# Altium PCB Iris.PcbDoc (part 3 of 13)
Units mm, origin at the board's own origin, x right, y up, seen from the top; angles counter-clockwise.
Board outline 100 x 72 mm, 6 copper layers (Top Layer, PowerPlane1, MidLayer1, MidLayer2, PowerPlane2, Bottom Layer), stack 1.561 mm thick; 396 components, 379 nets, 1616 pads, 658 vias.
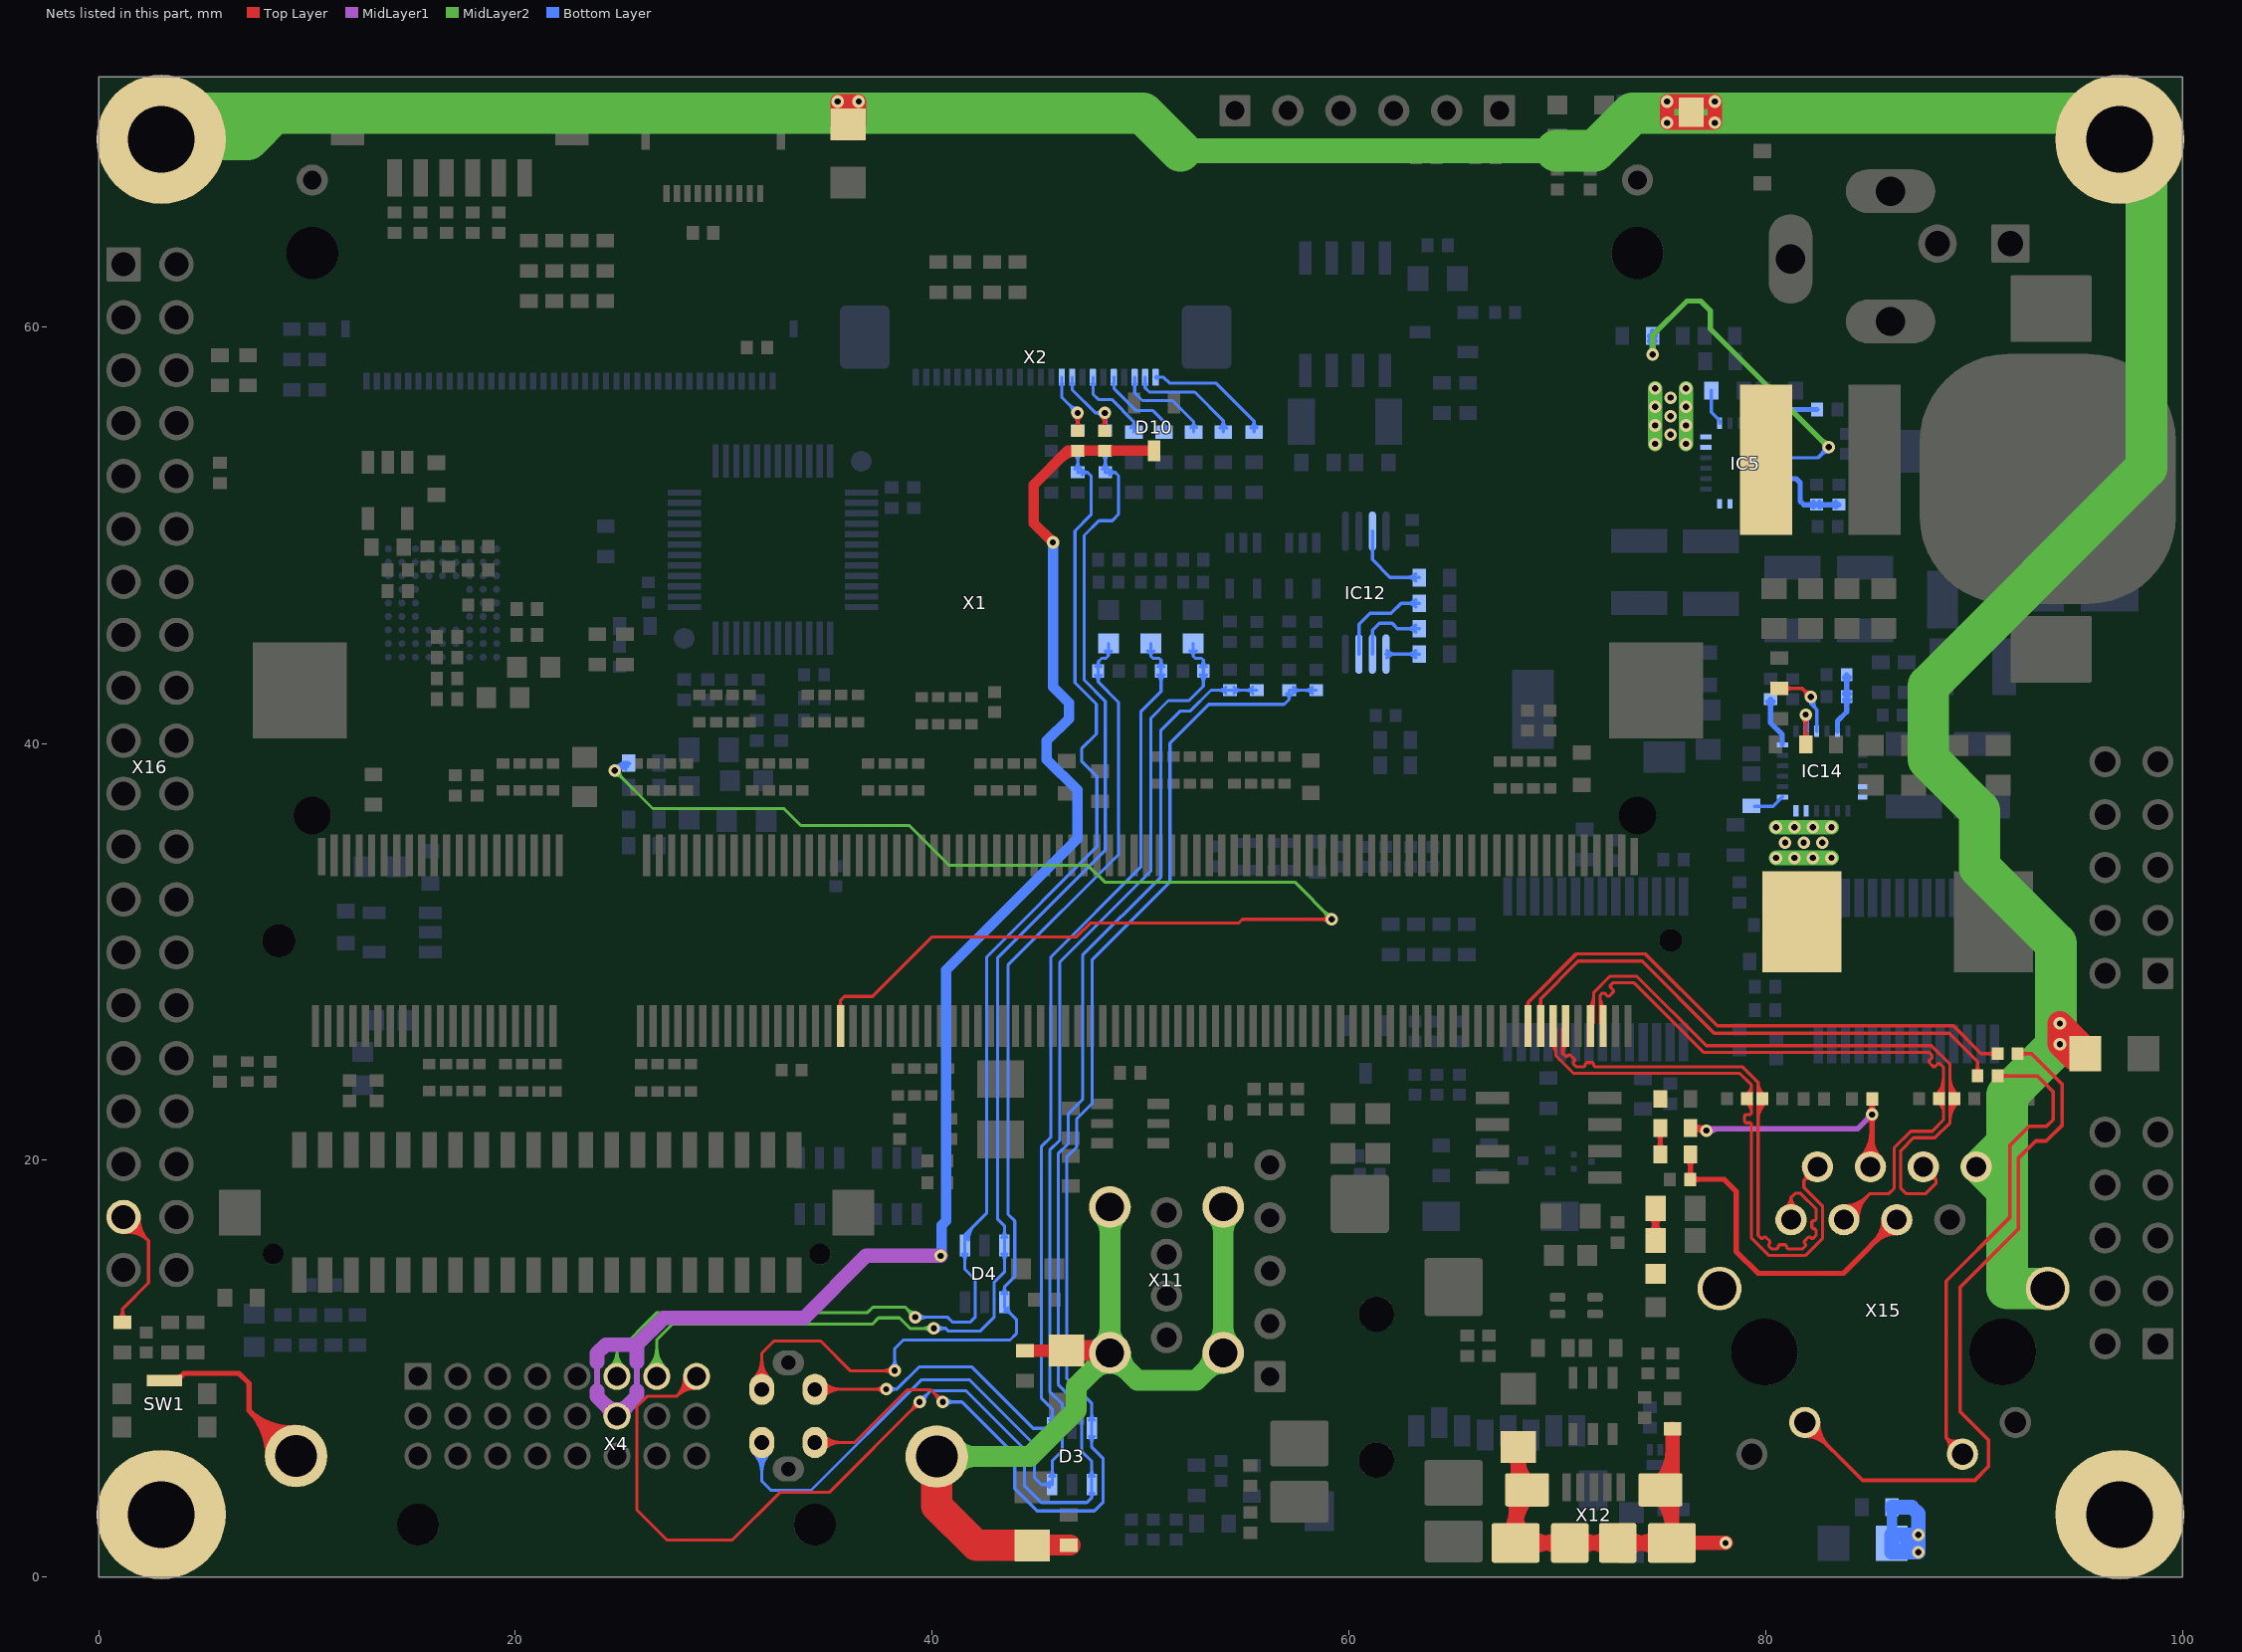
[diagram p7: the nets of this part, all layers, seen from the top]

## Via types
v1: diameter 0.6, hole 0.3, Top Layer to Bottom Layer, tented both sides, 651 vias
v2: diameter 0.55, hole 0.3, Top Layer to Bottom Layer, tented both sides, 7 vias

## Nets (pads, with @x,y where several pads share a name; then routed paths per layer and width w, separated by ;. In a path a pad name is that pad's centre, name@x,y a point inside that pad or via, vN(x,y) a via of type N, cw(c..) or ccw(c..) an arc to the next point about the centre after c; other vN are vias at no path point) (continued)
CHASSIS_GND: C129.2 C130.2 C131.2 C133.1 C134.1 C135.1 C136.2 MH1.1 MH2.1 MH3.1 MH4.1 R37.2 R137.2 R138.2 R139.2 R140.2 SW1.5 X4.X1 X4.X2 X11.S1 X11.S2 X12.S1 X12.S2 X12.S3 X15.8 X15.S1 X15.S2 | length 330.5
  Top Layer w0.254: SW1.5@3.16,9.43 3.74,9.43 4.089,9.779 6.731,9.779 7.214,9.296 7.214,8.001 ; SW1.5@3.735,9.578 ccw(c3.735,9.948) SW1.5@3.997,9.686 ; SW1.5@3.883,9.43 cw(c4.227,9.43) SW1.5@3.984,9.673 ; 7.611,7.603 ccw(c9.256,9.248) X4.X1@9.402,6.927 ; 7.64,7.574 cw(c5.917,5.851) X4.X1@8.354,5.823 ; 8.009,7.206 ccw(c9.303,8.5) X4.X1@9.418,6.673 ; 8.067,7.148 cw(c6.761,5.841) X4.X1@8.608,5.82 ; X4.X1@8.1,5.826 ccw(c5.074,5.861) 7.214,8.001 ; X4.X1@9.386,7.18 cw(c9.208,9.996) 7.214,8.001 ; X4.X1@9.473,5.81 9.405,5.81 7.214,8.001
  Top Layer w0.6: R37.2@44.45,10.871 C129.2@46.457,10.871 ; C136.2@44.806,1.524 C136.2@44.817,1.536
  Top Layer w0.7: X12.S1@67.582,2.064 ccw(c66.557,3.089) 68.006,3.089 ccw(c69.454,3.089) X12.S1@68.43,2.064 ; C130.2@67.831,5.957 cw(c67.128,5.254) 68.123,5.254 cw(c69.117,5.254) C130.2@68.414,5.957 ; X12.S1@68.006,2.379 cw(c70.117,2.379) X12.S3@68.624,3.872 ; C130.2@68.123,5.719 ccw(c69.835,5.719) X12.S3@68.624,4.508 ; C130.2@68.123,6.248 68.123,4.623 X12.S3@68.556,4.19 68.006,3.64 X12.S1@68.006,1.64 X12.S2@70.606,1.64 X12.S2@72.906,1.64 X12.S1@75.506,1.64 ; X12.S1@68.63,1.216 cw(c69.654,0.191) 69.654,1.64 cw(c69.654,3.089) X12.S1@68.63,2.064 ; X12.S2@70.217,1.251 ccw(c69.278,0.312) 69.278,1.64 ccw(c69.278,2.968) X12.S2@70.217,2.029 ; X12.S2@70.995,1.251 cw(c71.934,0.312) 71.934,1.64 cw(c71.934,2.968) X12.S2@70.995,2.029 ; X12.S2@72.517,1.251 ccw(c71.578,0.312) 71.578,1.64 ccw(c71.578,2.968) X12.S2@72.517,2.029 ; X12.S2@73.295,1.251 cw(c74.234,0.312) 74.234,1.64 cw(c74.234,2.968) X12.S2@73.295,2.029 ; X12.S1@74.882,1.216 ccw(c73.857,0.191) 73.857,1.64 ccw(c73.857,3.089) X12.S1@74.882,2.064 ; X12.S3@74.888,3.872 cw(c73.395,2.379) X12.S1@75.506,2.379 ; X12.S3@74.888,4.508 ccw(c73.314,6.082) 75.54,6.082 ; R137.2@75.54,7.124 75.54,4.774 X12.S3@74.956,4.19 75.506,3.64 X12.S1@75.506,1.64 ; v1(78.081,1.64) X12.S1@75.506,1.64 ; C133.1@35.458,69.723 36.477,69.723 v1(36.477,70.815) v1(35.458,70.815) C133.1@35.458,69.723 ; v1(75.268,69.793) v1(75.268,70.815) v1(77.56,70.815) v1(77.56,69.793) v1(75.268,69.793)
  Top Layer w1: C136.2@44.817,1.536 R140.2@46.634,1.536 ; C129.2@46.457,10.871 48.421,10.871 X11.S1@48.532,10.76
  Top Layer w1.2: v1(94.125,25.578) v1(94.125,26.568) 95.462,25.231 C135.1@95.352,25.121 95.148,24.917 94.785,24.917 v1(94.125,25.578)
  Top Layer w1.5: X4.X2@40.223,5.785 40.223,3.414 42.113,1.524 C136.2@44.806,1.524
  MidLayer2 w1: X4.X2@40.223,5.785 44.685,5.785 46.914,8.014 46.914,9.142 X11.S1@48.527,10.755 ; X4.X2@41.191,5.431 cw(c42.044,4.578) 42.044,5.785 cw(c42.044,6.992) X4.X2@41.191,6.139 ; X11.S1@48.032,10.76 cw(c46.825,10.76) 47.679,9.906 cw(c48.532,9.053) 48.532,10.26 cw(c48.532,9.053) 49.386,9.906 cw(c50.239,10.76) X11.S1@49.032,10.76 ; X11.S1@48.173,11.108 ccw(c47.32,11.962) 48.527,11.962 ccw(c49.734,11.962) X11.S1@48.88,11.108 ; X11.S2@48.179,17.401 cw(c47.325,16.547) 48.532,16.547 cw(c49.739,16.547) X11.S2@48.886,17.401 ; X11.S1@48.532,10.755 49.843,9.443 52.661,9.443 X11.S2@53.972,10.755 ; X11.S1@48.532,10.76 X11.S2@48.532,17.755 ; X11.S2@53.472,10.755 cw(c52.265,10.755) 53.119,9.901 cw(c53.972,9.047) X11.S2@53.972,10.255 ; X11.S2@53.619,11.114 ccw(c52.765,11.967) 53.972,11.967 ccw(c55.179,11.967) X11.S2@54.326,11.114 ; X11.S1@53.619,17.406 cw(c52.765,16.553) 53.972,16.553 cw(c55.179,16.553) X11.S1@54.326,17.406 ; X11.S2@53.972,10.76 X11.S1@53.972,17.76
  MidLayer2 w1.2: 51.918,68.453 69.952,68.453
  MidLayer2 w1.5: 91.567,19.69 X15.8@90.111,19.69 ; 91.592,18.209 X15.8@90.111,19.69 ; 91.592,21.171 X15.8@90.111,19.69
  MidLayer2 w2: MH3.1@3,69 4.256,70.256 50.114,70.256 51.918,68.453 ; MH3.1@3.051,69 7.151,69 8.407,70.256 ; 69.952,68.453 71.806,68.453 73.609,70.256 95.647,70.256 98.281,67.623 98.281,53.246 87.808,42.774 87.808,39.243 90.272,36.779 90.272,34.061 93.929,30.404 93.929,25.476 91.592,23.139 91.592,13.85 X15.S1@93.541,13.85
  Bottom Layer w0.5: C131.2@86.069,1.626 R138.2@86.069,3.353
  Bottom Layer w0.7: R138.2@86.069,3.353 87.02,3.353 87.326,3.048 v1(87.326,2.032) ; C131.2@86.733,1.439 v1(87.326,2.032) ; v1(87.326,2.032) v1(87.326,1.194) 86.055,1.194 86.055,2.032 v1(87.326,2.032) ; v1(75.268,69.793) v1(77.56,69.793) v1(77.56,70.815) v1(75.268,70.815) v1(75.268,69.793)
CON_PWM_A: R84.2 X16.37 | length 12.9
  Top Layer w0.152: R84.2@0.967,12.407 ccw(c0.542,12.832) 1.143,12.832 ccw(c1.744,12.832) R84.2@1.319,12.407 ; R84.2@1.143,12.231 1.143,12.878 2.388,14.122 2.388,16.14 ; X16.37@1.191,17.28 1.248,17.28 2.388,16.14 ; X16.37@1.238,16.838 cw(c1.329,15.984) 1.936,16.592 ; X16.37@1.254,16.687 cw(c1.372,15.576) 2.162,16.366 ; X16.37@1.27,16.535 cw(c1.415,15.168) 2.388,16.14 ; X16.37@1.635,17.269 ccw(c2.49,17.248) 1.885,16.643 ; X16.37@1.787,17.265 ccw(c2.98,17.235) 2.136,16.392 ; X16.37@1.94,17.261 ccw(c3.47,17.223) 2.388,16.14
CRT_BLUE: C9.1 D3.3 L6.2 X4.C3 | length 73
  Bottom Layer w0.15: X4.C3@31.452,5.939 cw(c30.555,5.043) 31.823,5.043 cw(c33.09,5.043) X4.C3@32.194,5.939 ; X4.C3@31.558,6.045 cw(c30.918,5.405) 31.823,5.405 cw(c32.728,5.405) X4.C3@32.088,6.045 ; X4.C3@31.823,6.46 31.823,4.601 32.258,4.166 34.188,4.166 39.497,9.474 41.783,9.474 44.911,6.347 44.911,4.772 45.241,4.441 D3.3@45.761,4.441 45.761,5.578 46.253,6.071 46.253,8.296 45.644,8.905 45.644,20.482 46.126,20.964 46.126,29.508 50.495,33.877 50.495,41.224 51.333,42.062 52.324,42.062 53.017,42.756 C9.1@53.017,43.485 53.017,44.007 ; D3.3@45.637,4.317 ccw(c45.338,4.019) 45.338,4.441 ccw(c45.338,4.864) D3.3@45.637,4.565 ; D3.3@45.637,4.84 ccw(c45.338,5.139) 45.761,5.139 ccw(c46.183,5.139) D3.3@45.884,4.84 ; L6.2@52.361,44.455 cw(c52.243,44.196) 52.527,44.196 ; L6.2@52.527,44.818 52.527,44.196 ; L6.2@52.693,44.455 ccw(c52.811,44.196) 52.527,44.196 ; C9.1@52.865,43.293 cw(c52.498,42.926) 53.017,42.926 cw(c53.536,42.926) C9.1@53.169,43.293 ; C9.1@52.874,43.685 ccw(c52.584,44.007) 53.017,44.007 ; C9.1@53.161,43.685 cw(c53.45,44.007) 53.017,44.007 ; 52.527,44.196 52.629,44.094 52.93,44.094 53.017,44.007
CRT_BLUE_T: R21.2 X2.22 | length 5.6
  Bottom Layer w0.152: X2.22@49.668,57.278 cw(c49.542,57.152) 49.72,57.152 cw(c49.898,57.152) X2.22@49.772,57.278 ; X2.22@49.72,57.58 49.72,56.833 50.089,56.464 51.537,56.464 52.553,55.448 ; R21.2@52.404,55.154 ccw(c52.186,55.448) 52.553,55.448 ; R21.2@52.553,54.954 52.553,55.448 ; R21.2@52.701,55.154 cw(c52.919,55.448) 52.553,55.448
CRT_GREEN: C10.1 D3.4 L7.2 X4.C2 | length 62.3
  Top Layer w0.15: X4.C2@34.373,9.017 v1(37.795,9.017) ; X4.C2@34.638,8.745 cw(c35.295,8.088) 35.295,9.017 ; X4.C2@34.638,9.275 ccw(c35.261,9.898) 35.261,9.017 ; X4.C2@34.744,8.639 cw(c35.657,7.726) 35.657,9.017 ; X4.C2@34.744,9.381 ccw(c35.623,10.261) 35.623,9.017 ; v1@37.636,8.858 ccw(c37.252,8.474) 37.252,9.017 ccw(c37.252,9.56) v1@37.636,9.176
  Bottom Layer w0.15: 41.377,10.084 41.91,10.084 44.853,7.141 D3.4@45.761,7.141 45.761,8.077 45.237,8.6 45.237,20.65 45.695,21.107 45.695,29.759 50.013,34.077 50.013,41.529 50.985,42.502 C10.1@50.985,43.485 50.985,44.007 ; D3.4@45.637,7.017 ccw(c45.338,6.719) 45.338,7.141 ccw(c45.338,7.564) D3.4@45.637,7.265 ; D3.4@45.637,7.54 ccw(c45.338,7.839) 45.761,7.839 ccw(c46.183,7.839) D3.4@45.884,7.54 ; L7.2@50.329,44.455 cw(c50.211,44.196) 50.495,44.196 ; L7.2@50.495,44.818 50.495,44.196 ; L7.2@50.661,44.455 ccw(c50.779,44.196) 50.495,44.196 ; C10.1@50.833,43.293 cw(c50.466,42.926) 50.985,42.926 cw(c51.504,42.926) C10.1@51.137,43.293 ; C10.1@50.842,43.685 ccw(c50.552,44.007) 50.985,44.007 ; C10.1@51.129,43.685 cw(c51.418,44.007) 50.985,44.007 ; 50.495,44.196 50.597,44.094 50.898,44.094 50.985,44.007
  Bottom Layer w0.152: v1(37.795,9.017) 38.303,9.017 ; v1@37.96,8.866 cw(c38.303,8.552) 38.303,9.017 ; v1@37.96,9.168 ccw(c38.303,9.482) 38.303,9.017 ; 41.377,10.084 39.37,10.084 38.303,9.017
CRT_GREEN_T: R22.2 X2.20 | length 4.9
  Bottom Layer w0.152: X2.20@48.668,57.278 cw(c48.51,57.12) 48.733,57.12 ; X2.20@48.72,57.58 48.733,57.567 48.733,57.033 49.784,55.982 50.597,55.982 51.13,55.448 ; R22.2@50.982,55.154 ccw(c50.764,55.448) 51.13,55.448 ; R22.2@51.13,54.968 51.13,55.448 ; R22.2@51.278,55.154 cw(c51.497,55.448) 51.13,55.448
CRT_HSYNC: C5.1 D3.6 L1.2 X4.C4 | length 74.4
  Top Layer w0.15: X4.C4@34.373,6.46 36.28,6.46 38.811,8.992 39.929,8.992 v1(40.513,8.407) ; X4.C4@34.638,6.195 cw(c35.278,5.555) 35.278,6.46 cw(c35.278,7.365) X4.C4@34.638,6.725 ; X4.C4@34.744,6.089 cw(c35.64,5.193) 35.64,6.46 cw(c35.64,7.727) X4.C4@34.744,6.831 ; v1@40.288,8.407 ccw(c39.745,8.407) 40.129,8.792 ccw(c40.513,9.176) v1@40.513,8.632
  Bottom Layer w0.15: D3.6@47.661,7.141 47.661,8.336 46.457,9.54 46.457,20.145 46.939,20.628 46.939,21.985 47.676,22.721 47.676,29.616 51.415,33.356 51.415,40.018 53.282,41.885 56.896,41.885 57.135,42.124 ; C5.1@57.003,42.393 cw(c56.794,42.124) 57.135,42.124 ; C5.1@57.267,42.393 ccw(c57.476,42.124) 57.135,42.124 ; C5.1@57.327,42.411 cw(c57.694,42.044) 57.694,42.563 cw(c57.694,43.082) C5.1@57.327,42.715 ; L1.2@58.243,42.411 ccw(c57.876,42.044) 57.876,42.563 ccw(c57.876,43.082) L1.2@58.243,42.715 ; L1.2@58.435,42.563 C5.1@57.135,42.563 57.135,42.124
  Bottom Layer w0.152: v1@40.671,8.249 cw(c41.053,7.867) 41.053,8.407 cw(c41.053,8.948) v1@40.671,8.566 ; v1@40.742,8.407 41.427,8.407 43.967,5.867 43.967,4.242 45.034,3.175 47.777,3.175 48.209,3.607 48.209,5.69 47.661,6.238 D3.6@47.661,7.141 ; D3.6@47.538,6.743 cw(c47.241,6.447) 47.661,6.447 cw(c48.08,6.447) D3.6@47.783,6.743 ; D3.6@47.538,7.539 ccw(c47.241,7.836) 47.661,7.836 ccw(c48.08,7.836) D3.6@47.783,7.539
CRT_HSYNC_T: R17.1 X2.24 | length 7.1
  Bottom Layer w0.152: X2.24@50.72,57.58 51.107,57.58 51.384,57.302 53.619,57.302 55.448,55.474 ; X2.24@50.772,57.528 cw(c50.898,57.402) 50.898,57.58 cw(c50.898,57.758) X2.24@50.772,57.632 ; R17.1@55.292,55.148 ccw(c55.03,55.474) 55.448,55.474 ; R17.1@55.448,54.954 55.448,55.474 ; R17.1@55.604,55.148 cw(c55.866,55.474) 55.448,55.474
CRT_RED: C11.1 D4.4 L5.2 X4.C1 | length 60.9
  Top Layer w0.15: X4.C1@31.452,9.531 ccw(c30.555,10.427) 31.823,10.427 ccw(c33.09,10.427) X4.C1@32.194,9.531 ; X4.C1@31.558,9.425 ccw(c30.918,10.065) 31.823,10.065 ccw(c32.728,10.065) X4.C1@32.088,9.425 ; X4.C1@31.823,9.01 31.823,10.741 32.41,11.328 34.646,11.328 36.068,9.906 v1(38.202,9.906) ; v1@38.043,9.747 ccw(c37.658,9.363) 37.658,9.906 ccw(c37.658,10.449) v1@38.043,10.065
  Bottom Layer w0.15: 43.64,17.422 43.64,29.365 48.946,34.671 48.946,41.986 47.973,42.959 ; C11.1@47.829,43.286 cw(c47.531,42.959) 47.973,42.959 ; C11.1@47.851,43.702 ccw(c47.69,43.935) 47.973,43.935 ; C11.1@48.095,43.702 cw(c48.256,43.935) 47.973,43.935 ; C11.1@48.118,43.286 ccw(c48.415,42.959) 47.973,42.959 ; L5.2@48.311,44.448 cw(c48.218,44.221) 48.463,44.221 ; L5.2@48.463,44.818 48.463,44.221 ; L5.2@48.615,44.448 ccw(c48.709,44.221) 48.463,44.221 ; 47.973,42.959 C11.1@47.973,43.485 47.973,43.935 ; 47.973,43.935 48.133,44.094 48.336,44.094 48.463,44.221
  Bottom Layer w0.152: v1@38.043,10.064 ccw(c37.661,10.446) 38.202,10.446 ccw(c38.742,10.446) v1@38.36,10.064 ; v1@38.202,10.135 38.202,10.973 38.608,11.379 43.739,11.379 44.044,11.684 44.044,12.37 43.47,12.944 43.47,13.929 43.97,14.43 43.97,17.092 43.64,17.422 ; D4.4@43.347,13.602 ccw(c43.05,13.899) 43.47,13.899 ccw(c43.889,13.899) D4.4@43.592,13.602 ; D4.4@43.47,12.755 cw(c43.47,12.301) 43.791,12.622 ; D4.4@43.643,12.929 ccw(c44.028,12.929) 43.756,12.657
CRT_RED_T: R23.2 X2.18 | length 4.8
  Bottom Layer w0.152: X2.18@47.668,57.278 cw(c47.542,57.152) 47.72,57.152 cw(c47.898,57.152) X2.18@47.772,57.278 ; X2.18@47.72,57.58 47.72,56.776 47.981,56.515 48.616,56.515 49.682,55.448 ; R23.2@49.534,55.154 ccw(c49.316,55.448) 49.682,55.448 ; R23.2@49.682,54.954 49.682,55.448 ; R23.2@49.831,55.154 cw(c50.049,55.448) 49.682,55.448
CRT_VSYNC: C6.1 D3.1 L2.2 X4.8 | length 90.9
  Top Layer w0.15: X4.8@28.118,9.614 cw(c26.859,9.577) 27.75,8.687 ; X4.8@28.268,9.618 cw(c27.338,9.591) 27.996,8.933 cw(c28.654,8.275) X4.8@28.681,9.205 ; X4.8@28.676,9.055 ccw(c28.64,7.796) 27.75,8.687 ; X4.8@28.693,9.63 27.75,8.687 ; v1@39.17,8.407 cw(c38.627,8.407) 39.011,8.023 cw(c39.395,7.639) v1@39.395,8.182 ; v1(39.395,8.407) 35.052,4.064 32.69,4.064 30.404,1.778 27.28,1.778 25.832,3.226 25.832,8.179 26.34,8.687 27.75,8.687
  Bottom Layer w0.15: 46.05,9.246 46.05,20.314 46.533,20.796 46.533,22.225 47.219,22.911 47.219,29.842 50.978,33.601 50.978,40.64 51.892,41.554 52.375,41.554 53.383,42.563 L2.2@55.59,42.563 ; C6.1@54.098,42.411 ccw(c53.731,42.044) 53.731,42.563 ccw(c53.731,43.082) C6.1@54.098,42.715 ; C6.1@54.482,42.411 cw(c54.849,42.044) 54.849,42.563 cw(c54.849,43.082) C6.1@54.482,42.715 ; L2.2@55.398,42.411 ccw(c55.031,42.044) 55.031,42.563 ccw(c55.031,43.082) L2.2@55.398,42.715
  Bottom Layer w0.152: v1(39.395,8.407) 39.929,8.941 41.631,8.941 44.425,6.147 44.425,4.394 45.237,3.581 47.422,3.581 47.661,3.82 ; v1@39.395,8.631 ccw(c39.395,9.171) 39.777,8.789 ccw(c40.159,8.407) v1@39.619,8.407 ; 46.05,9.246 47.171,8.125 47.171,6.042 47.661,5.552 D3.1@47.661,4.441 47.661,3.82 ; D3.1@47.538,4.839 ccw(c47.241,5.136) 47.661,5.136 ccw(c48.08,5.136) D3.1@47.783,4.839 ; D3.1@47.557,4.027 cw(c47.403,3.82) 47.661,3.82 ; D3.1@47.764,4.027 ccw(c47.918,3.82) 47.661,3.82
CRT_VSYNC_T: R18.1 X2.23 | length 6.5
  Bottom Layer w0.152: X2.23@50.168,57.278 cw(c50.042,57.152) 50.22,57.152 cw(c50.398,57.152) X2.23@50.272,57.278 ; X2.23@50.22,57.58 50.22,57.074 50.423,56.871 52.603,56.871 53.975,55.499 ; R18.1@53.812,55.142 ccw(c53.503,55.499) 53.975,55.499 ; R18.1@53.975,54.954 53.975,55.499 ; R18.1@54.138,55.142 cw(c54.447,55.499) 53.975,55.499
DAC_PSAVE#: R114.1 X1.73 | length 71.3
  Top Layer w0.152: X1.73@35.53,27.392 ccw(c35.361,27.56) 35.6,27.56 ccw(c35.839,27.56) X1.73@35.67,27.392 ; X1.73@35.6,26.446 35.6,27.675 35.789,27.864 37.135,27.864 39.994,30.723 46.929,30.723 47.587,31.382 54.699,31.382 54.889,31.572 v1(59.182,31.572) ; v1@59.024,31.414 ccw(c58.642,31.032) 58.642,31.572 ccw(c58.642,32.112) v1@59.024,31.73
  MidLayer2 w0.152: v1(24.765,38.71) 26.594,36.881 32.893,36.881 33.702,36.072 38.909,36.072 40.828,34.153 47.48,34.153 48.283,33.35 57.404,33.35 v1(59.182,31.572) ; v1@58.958,31.572 ccw(c58.418,31.572) 58.8,31.954 ccw(c59.182,32.336) v1@59.182,31.796 ; 25.147,38.328 cw(c25.529,38.71) 24.989,38.71 ccw(c25.529,38.71) 25.147,38.328 ; 25.147,38.328 ccw(c24.765,37.946) 24.765,38.486 cw(c24.765,37.946) 25.147,38.328
  Bottom Layer w0.165: v1@24.772,38.927 ccw(c24.786,39.399) R114.1@25.121,39.065 ; v1@24.821,38.92 ccw(c24.911,39.255) 25.085,38.954 ; v1@24.908,38.852 cw(c25.18,38.579) R114.1@25.394,38.901 ; v1@24.982,38.728 cw(c25.232,38.749) 25.107,38.967 ; v1@24.982,38.716 cw(c25.455,38.731) R114.1@25.121,39.065 ; 25.05,38.995 cw(c25.294,38.75) R114.1@25.485,39.038 ; R114.1@25.303,38.763 ccw(c25.067,38.408) v1(24.765,38.71) R114.1@25.121,39.065 ; R114.1@25.437,39.065 R114.1@25.121,39.065
DCDC1_FB1: IC5.5 R66.1 R67.2 | length 5.4
  Bottom Layer w0.25: IC5.5@80.945,52.717 81.471,52.717 81.661,52.527 81.661,51.638 81.836,51.463 R67.2@82.448,51.463 R66.1@83.515,51.463 ; R67.2@82.31,51.35 ccw(c82.037,51.077) 82.037,51.463 ccw(c82.037,51.849) R67.2@82.31,51.576 ; R67.2@82.587,51.35 cw(c82.86,51.077) 82.86,51.463 cw(c82.86,51.849) R67.2@82.587,51.576 ; R66.1@83.377,51.35 ccw(c83.104,51.077) 83.104,51.463 ccw(c83.104,51.849) R66.1@83.377,51.576
DCDC1_LX: C62.1 IC5.10 IC5.11 IC5.16 IC5.17 IC5.18 L8.1 | length 7.1
  MidLayer2 w0.7: v1(74.701,54.381) v1(74.701,57.048) ; v1(76.175,54.381) v1(76.175,57.048)
  Bottom Layer w0.165: C62.1@77.393,56.947 77.393,55.906 77.797,55.502 IC5.18@77.797,55.37
  other v1: 75.438,54.826 74.701,55.27 76.175,55.27 75.438,55.715 74.701,56.159 76.175,56.159 75.438,56.604
DCDC1_PFM: IC5.3 R69.2 R70.1 | length 21.2
  MidLayer2 w0.254: v1@74.453,58.796 ccw(c74.158,59.092) 74.576,59.092 ccw(c74.993,59.092) v1@74.698,58.796 ; v1(74.576,58.674) 74.576,59.59 76.225,61.239 76.886,61.239 77.343,60.782 77.343,59.913 v1(83.03,54.226) ; v1@82.857,54.226 ccw(c82.439,54.226) 82.735,54.522 ccw(c83.03,54.817) v1@83.03,54.399
  Bottom Layer w0.165: IC5.3@80.945,53.717 82.521,53.717 v1(83.03,54.226) ; v1@82.813,54.226 cw(c82.287,54.226) 82.659,53.855 cw(c83.03,53.484) v1@83.03,54.009
  Bottom Layer w0.254: R69.2@74.433,59.323 cw(c74.095,58.985) 74.573,58.985 cw(c75.051,58.985) R69.2@74.713,59.323 ; R69.2@74.433,59.552 cw(c74.095,59.214) 74.573,59.214 cw(c75.051,59.214) R69.2@74.713,59.552 ; v1@74.453,58.796 ccw(c74.163,59.086) 74.573,59.086 ; v1(74.576,58.674) R69.2@74.573,59.792 ; 74.573,59.097 ccw(c74.999,59.097) v1@74.698,58.796
DCDC1_SS: C77.2 IC5.22 | length 2.7
  Bottom Layer w0.25: IC5.22@80.295,55.367 80.295,55.733 80.594,56.032 C77.2@82.466,56.032
DCDC2_EN: IC14.2 R156.1 R157.1 | length 4.6
  Top Layer w0.165: R157.1@81.758,40.239 ccw(c81.35,40.647) 81.927,40.647 ; v1@81.773,41.236 cw(c81.402,40.865) 81.927,40.865 cw(c82.452,40.865) v1@82.081,41.236 ; R157.1@81.927,39.968 v1(81.927,41.39) ; 81.927,40.659 ccw(c82.521,40.659) R157.1@82.101,40.239
  Bottom Layer w0.254: v1@81.805,41.268 cw(c81.448,40.911) 81.952,40.911 ; IC14.2@81.952,40.584 v1@81.952,41.339 ; 81.952,41.034 cw(c82.283,41.034) v1@82.049,41.268
DCDC2_FB1: IC14.5 R73.1 R74.2 | length 4.8
  Bottom Layer w0.165: IC14.5@83.452,40.584 IC14.5@83.47,40.602
  Bottom Layer w0.25: 83.452,41.085 83.894,41.526 R74.2@83.894,42.244 R73.1@83.894,43.311 ; R74.2@83.78,42.106 cw(c83.507,41.833) 83.894,41.833 cw(c84.28,41.833) R74.2@84.007,42.106 ; R74.2@83.78,42.382 ccw(c83.507,42.655) 83.894,42.655 ccw(c84.28,42.655) R74.2@84.007,42.382 ; R73.1@83.78,43.173 cw(c83.507,42.9) 83.894,42.9 cw(c84.28,42.9) R73.1@84.007,43.173
  Bottom Layer w0.254: IC14.5@83.452,40.584 83.452,41.085
DCDC2_LX: C71.1 IC14.10 IC14.11 IC14.16 IC14.17 IC14.18 L26.1 | length 6.8
  MidLayer2 w0.7: v1(80.496,34.514) v1(83.163,34.514) ; v1(80.496,35.987) v1(83.163,35.987)
  Bottom Layer w0.165: C71.1@79.474,36.994 80.362,36.994 IC14.18@80.802,37.434
  other v1: 81.385,34.514 82.274,34.514 80.94,35.251 81.829,35.251 82.718,35.251 81.385,35.987 82.274,35.987
DCDC2_PFM: IC14.3 R153.2 R154.1 | length 6.7
  Top Layer w0.165: R153.2@80.505,42.649 81.76,42.649 v1(82.169,42.24) ; R153.2@80.929,42.477 cw(c81.343,42.063) 81.343,42.649 cw(c81.343,43.234) R153.2@80.929,42.82 ; v1@81.952,42.24 ccw(c81.426,42.24) 81.798,42.611 ccw(c82.169,42.983) v1@82.169,42.458
  Bottom Layer w0.165: v1@82.083,42.04 cw(c82.027,41.91) 82.169,41.91 ; v1(82.169,42.24) 82.169,41.91 ; v1@82.216,42.217 ccw(c82.552,42.055) 82.288,41.791 ; v1@82.255,42.04 ccw(c82.311,41.91) 82.169,41.91 ; v1@82.365,42.145 ccw(c82.773,41.948) 82.452,41.627 ; IC14.3@82.452,40.584 82.452,41.627 ; 82.169,41.91 82.452,41.627
DCDC2_SS: C76.2 IC14.22 | length 3
  Bottom Layer w0.254: C76.2@80.123,42.016 cw(c79.845,41.738) 80.239,41.738 cw(c80.632,41.738) C76.2@80.354,42.016 ; C76.2@80.239,42.131 80.239,40.996 80.802,40.432 IC14.22@80.802,39.934
DDC_CLK: C8.1 D4.1 L4.2 X4.6 | length 74.6
  MidLayer2 w0.15: X4.6@24.528,10.09 ccw(c24.009,10.781) 24.873,10.781 ; X4.6@24.618,9.97 ccw(c24.234,10.481) 24.873,10.481 ccw(c25.512,10.481) X4.6@25.128,9.97 ; X4.6@24.873,9.63 24.873,10.781 ; X4.6@25.218,10.09 cw(c25.737,10.781) 24.873,10.781 ; v1@38.967,12.471 ccw(c38.424,12.471) 38.808,12.855 ccw(c39.192,13.24) v1@39.192,12.696 ; v1(39.192,12.471) 38.71,12.954 37.156,12.954 36.902,12.7 26.792,12.7 24.873,10.781
  Bottom Layer w0.15: D4.1@41.57,15.752 41.57,16.424 42.621,17.475 42.621,29.763 47.904,35.047 47.904,38.43 47.171,39.164 47.171,39.754 47.879,40.462 47.879,41.894 46.852,42.921 46.852,50.205 47.625,50.978 ; D4.1@41.595,16.179 cw(c42.245,16.179) 41.785,16.639 ; D4.1@41.745,16.179 cw(c42.757,16.179) 42.041,16.895 ; C8.1@46.838,53.169 ccw(c46.471,53.536) 46.99,53.536 ccw(c47.509,53.536) C8.1@47.142,53.169 ; L4.2@46.838,53.892 cw(c46.471,53.524) 46.99,53.524 cw(c47.509,53.525) L4.2@47.142,53.892 ; C8.1@46.99,53.017 L4.2@46.99,54.044
  Bottom Layer w0.152: v1(39.192,12.471) 40.742,12.471 40.97,12.243 41.834,12.243 42.07,12.479 42.07,14.267 41.57,14.768 D4.1@41.57,15.752 ; v1@39.35,12.313 cw(c39.732,11.931) 39.732,12.471 cw(c39.732,13.012) v1@39.35,12.63 ; D4.1@41.447,15.506 cw(c41.15,15.21) 41.57,15.21 cw(c41.989,15.21) D4.1@41.692,15.506 ; C8.1@46.99,53.017 47.465,53.017 ; C8.1@47.199,52.887 cw(c47.465,52.681) 47.465,53.017 ; C8.1@47.199,53.148 ccw(c47.465,53.353) 47.465,53.017 ; 47.625,50.978 47.625,52.857 47.465,53.017
DDC_CLK_T: L4.1 R11.1 X2.15 | length 8.2
  Top Layer w0.152: v1@46.824,55.712 cw(c46.442,55.33) 46.982,55.33 cw(c47.522,55.33) v1@47.14,55.712 ; R11.1@46.834,55.161 ccw(c46.478,55.518) 46.982,55.518 ccw(c47.486,55.518) R11.1@47.13,55.161 ; R11.1@46.982,55.014 v1(46.982,55.87)
  Bottom Layer w0.152: X2.15@46.168,57.278 cw(c46.042,57.152) 46.22,57.152 cw(c46.398,57.152) X2.15@46.272,57.278 ; X2.15@46.22,57.58 46.22,56.632 v1(46.982,55.87) 46.99,55.862 L4.1@46.99,55.024 ; v1@46.758,55.87 ccw(c46.218,55.87) 46.6,56.252 ccw(c46.982,56.634) v1@46.982,56.094 ; v1@46.824,55.712 cw(c46.422,55.31) L4.1@46.99,55.31 ; L4.1@46.839,55.175 ccw(c46.474,55.54) 46.99,55.54 ; 46.99,55.349 cw(c47.503,55.349) v1@47.14,55.712 ; 46.99,55.54 ccw(c47.506,55.54) L4.1@47.141,55.175
DDC_DATA: C7.1 D4.3 L3.2 X4.7 | length 75.1
  MidLayer2 w0.15: X4.7@26.376,10.037 ccw(c25.395,11.018) 26.783,11.018 ccw(c28.171,11.018) X4.7@27.19,10.037 ; X4.7@26.482,9.931 ccw(c25.757,10.656) 26.783,10.656 ccw(c27.809,10.656) X4.7@27.083,9.931 ; X4.7@26.588,9.824 ccw(c26.119,10.294) 26.783,10.294 ccw(c27.447,10.294) X4.7@26.977,9.824 ; X4.7@26.783,9.63 26.783,11.391 27.533,12.14 37.134,12.14 37.431,12.438 38.439,12.438 38.941,11.935 v1(40.081,11.935) ; v1@39.922,11.776 ccw(c39.538,11.392) 39.538,11.935 ccw(c39.538,12.479) v1@39.922,12.094
  Bottom Layer w0.15: C7.1@48.159,53.169 ccw(c47.792,53.536) 48.311,53.536 ccw(c48.83,53.536) C7.1@48.463,53.169 ; L3.2@48.159,53.892 cw(c47.791,53.524) 48.311,53.524 cw(c48.83,53.525) L3.2@48.463,53.892 ; C7.1@48.311,53.017 L3.2@48.311,54.044
  Bottom Layer w0.152: v1(40.081,11.935) 40.643,11.935 40.767,11.811 42.316,11.811 42.969,12.464 42.969,14.137 43.47,14.637 D4.3@43.47,15.904 43.47,16.855 43.139,17.186 43.139,29.707 48.311,34.878 48.311,42.037 47.298,43.05 47.298,49.99 48.006,50.698 ; v1@40.239,11.777 cw(c40.621,11.395) 40.621,11.935 cw(c40.621,12.476) v1@40.239,12.094 ; D4.3@43.347,15.506 cw(c43.05,15.21) 43.47,15.21 cw(c43.889,15.21) D4.3@43.592,15.506 ; D4.3@43.347,16.302 ccw(c43.05,16.599) 43.47,16.599 ccw(c43.889,16.599) D4.3@43.592,16.302 ; 48.031,50.698 48.641,50.698 48.946,51.003 48.946,52.857 48.786,53.017 ; C7.1@48.311,53.017 48.786,53.017 ; C7.1@48.52,52.887 cw(c48.786,52.681) 48.786,53.017 ; C7.1@48.52,53.148 ccw(c48.786,53.353) 48.786,53.017
DDC_DATA_T: L3.1 R12.1 X2.16 | length 9
  Top Layer w0.152: R12.1@48.117,55.161 ccw(c47.761,55.518) 48.265,55.518 ccw(c48.769,55.518) R12.1@48.413,55.161 ; v1@48.132,55.712 cw(c47.811,55.391) 48.265,55.391 ; R12.1@48.265,55.014 v1@48.265,55.87 ; R12.1@48.265,55.268 cw(c48.892,55.268) v1@48.449,55.712
  Bottom Layer w0.152: X2.16@46.668,57.278 cw(c46.542,57.152) 46.72,57.152 cw(c46.898,57.152) X2.16@46.772,57.278 ; X2.16@46.72,57.58 46.72,56.988 47.838,55.87 ; v1@48.106,55.743 ccw(c47.864,55.575) 47.864,55.87 ; v1@48.106,55.997 cw(c47.864,56.165) 47.864,55.87 ; v1@48.132,55.712 cw(c47.731,55.31) L3.1@48.298,55.31 ; L3.1@48.16,55.175 ccw(c47.825,55.51) 48.298,55.51 ; v1@48.178,55.676 cw(c48.028,55.415) 48.319,55.493 ; v1(48.29,55.87) 47.864,55.87 ; L3.1@48.298,55.024 v1@48.298,55.87 ; 48.298,55.349 cw(c48.811,55.349) v1@48.449,55.712 ; 48.298,55.57 ccw(c48.857,55.57) L3.1@48.462,55.175 ; 48.342,55.408 cw(c48.615,55.481) v1@48.434,55.698
DVI_5V: D10.3 R11.2 R12.2 X4.14 | length 76.7
  Top Layer w0.5: v1(45.796,49.657) 44.882,50.571 44.882,52.426 46.51,54.054 R11.2@46.982,54.054 R12.2@48.265,54.054 D10.3@50.648,54.054 ; 46.134,53.678 cw(c46.957,52.855) R11.2@46.957,54.019
  MidLayer1 w0.3: 23.918,8.941 23.918,10.312 ; 25.828,8.941 25.828,10.312
  MidLayer1 w0.7: 23.918,8.941 23.918,8.675 X4.14@24.873,7.72 25.828,8.675 25.828,8.941 ; 23.918,10.312 23.918,10.735 24.333,11.151 25.828,11.151 ; X4.14@24.573,7.72 ccw(c23.849,7.72) 24.361,8.232 ccw(c24.873,8.744) 24.873,8.02 ccw(c24.873,8.744) 25.385,8.232 ccw(c25.897,7.72) X4.14@25.173,7.72 ; 25.828,10.312 25.828,11.151 ; v1(40.411,15.418) 36.83,15.418 33.858,12.446 27.123,12.446 25.828,11.151
  Bottom Layer w0.5: v1@40.462,15.418 40.462,16.891 40.665,17.094 40.665,29.134 46.965,35.433 46.965,37.77 45.491,39.243 45.491,40.132 46.558,41.199 46.558,41.961 45.796,42.723 v1(45.796,49.657)
EEPROM_A0: IC12.1 R141.1 | length 3.4
  Bottom Layer w0.165: IC12.1@61.783,44.294 R141.1@63.385,44.294 ; IC12.1@61.831,44.123 cw(c62.245,43.709) 62.245,44.294 cw(c62.245,44.879) IC12.1@61.831,44.465 ; R141.1@63.213,44.123 ccw(c62.799,43.709) 62.799,44.294 ccw(c62.799,44.879) R141.1@63.213,44.465
EEPROM_A1: IC12.2 R142.1 | length 4.6
  Bottom Layer w0.165: IC12.2@61.133,44.294 61.133,45.435 61.468,45.771 62.078,45.771 62.332,45.517 R142.1@63.385,45.517 ; R142.1@63.213,45.345 ccw(c62.799,44.931) 62.799,45.517 ccw(c62.799,46.102) R142.1@63.213,45.688
EEPROM_A2: IC12.3 R143.1 | length 5.7
  Bottom Layer w0.165: IC12.3@60.483,44.294 60.483,45.725 61.011,46.253 62.027,46.253 62.509,46.736 R143.1@63.385,46.736 ; R143.1@63.213,46.565 ccw(c62.799,46.151) 62.799,46.736 ccw(c62.799,47.321) R143.1@63.213,46.907
EEPROM_WP: IC12.7 R144.1 | length 4.9
  Bottom Layer w0.165: IC12.7@61.133,50.194 61.133,48.824 61.976,47.981 R144.1@63.385,47.981 ; R144.1@63.213,47.809 ccw(c62.799,47.395) 62.799,47.981 ccw(c62.799,48.566) R144.1@63.213,48.152
ETH_AVCC: C52.1 C53.1 L19.2 R121.2 R122.1 R123.1 | length 7
  Top Layer w0.254: R122.1@74.807,20.526 ccw(c74.469,20.864) 74.948,20.864 ccw(c75.426,20.864) R122.1@75.088,20.526 ; R123.1@74.807,21.316 cw(c74.469,20.978) 74.948,20.978 cw(c75.426,20.978) R123.1@75.088,21.316 ; R122.1@74.948,20.286 R123.1@74.948,21.556
  Top Layer w0.3: C52.1@74.475,16.493 ccw(c73.878,17.09) 74.722,17.09 ccw(c75.567,17.09) C52.1@74.97,16.493 ; C53.1@74.475,17.347 cw(c73.878,16.75) 74.722,16.75 cw(c75.567,16.75) C53.1@74.97,17.347 ; C52.1@74.722,16.145 C53.1@74.722,17.695
ETH_CT_RX: C54.2 R122.2 X15.5 | length 21.5
  Top Layer w0.254: R122.2@76.257,20.046 cw(c75.919,19.708) 76.398,19.708 cw(c76.876,19.708) R122.2@76.538,20.046 ; C54.2@76.27,19.231 ccw(c75.962,19.539) 76.398,19.539 ; 76.398,19.479 ccw(c76.749,19.479) C54.2@76.5,19.231 ; R122.2@76.398,20.286 76.398,19.092 78.012,19.092 78.588,18.517 78.588,15.637 79.645,14.58 83.731,14.58 X15.5@86.301,17.15 ; C54.2@76.5,18.96 cw(c76.818,18.642) 76.818,19.092 ; C54.2@76.5,19.191 ccw(c76.739,19.429) 76.739,19.092 ; X15.5@85.678,17.15 cw(c84.174,17.15) 85.237,16.086 cw(c86.301,15.023) X15.5@86.301,16.527 ; X15.5@85.932,17.15 cw(c85.041,17.15) 85.671,16.52 cw(c86.301,15.89) X15.5@86.301,16.781
ETH_CT_TX: C89.2 R123.2 X15.4 | length 21.3
  Top Layer w0.254: R123.2@76.398,21.556 77.038,21.556 v1(77.165,21.429) ; R123.2@76.441,21.556 cw(c76.441,20.704) v1@77.043,21.306 ; R123.2@76.538,21.416 cw(c76.876,21.078) 76.876,21.556 cw(c76.876,22.034) R123.2@76.538,21.696 ; R123.2@76.663,21.613 cw(c76.513,21.052) v1@77.015,21.342 ; 76.796,21.577 cw(c76.72,21.296) v1@76.999,21.379 ; X15.4@84.59,20.131 ccw(c83.343,21.378) 85.107,21.378 ; X15.4@84.77,19.951 ccw(c83.956,20.765) 85.107,20.765 ; v1@84.985,22.078 cw(c84.69,21.783) 85.107,21.783 cw(c85.525,21.783) v1@85.23,22.078 ; v1@84.985,22.323 ccw(c84.69,22.618) 85.107,22.618 ccw(c85.525,22.618) v1@85.23,22.323 ; C89.2@84.992,22.779 cw(c84.714,22.501) 85.107,22.501 cw(c85.501,22.501) C89.2@85.222,22.779 ; X15.4@85.031,19.69 85.107,19.69 85.107,22.023 C89.2@85.107,22.863 ; 85.107,21.01 ccw(c86.351,21.01) X15.4@85.472,20.131 ; 76.885,21.553 ccw(c76.951,21.799) 77.079,21.578 cw(c76.951,21.799) 76.885,21.553
  MidLayer1 w0.254: v1@77.165,21.556 77.199,21.522 84.429,21.522 v1(85.107,22.2) ; v1@77.288,21.306 cw(c77.808,20.786) 77.808,21.522 ; v1@84.934,22.2 cw(c84.517,22.2) 84.812,21.905 cw(c85.107,21.61) v1@85.107,22.027
ETH_LED_LINK: R95.2 X15.10 | length 39.3
  Top Layer w0.178: X15.10@81.881,6.759 cw(c81.881,5.163) 83.01,6.291 cw(c84.138,7.42) X15.10@82.542,7.42 ; X15.10@81.881,6.937 cw(c81.881,5.77) 82.706,6.595 cw(c83.531,7.42) X15.10@82.364,7.42 ; X15.10@81.881,7.42 84.653,4.648 90.043,4.648 90.703,5.309 90.703,6.579 89.332,7.95 89.332,13.894 92.126,16.688 92.126,20.091 92.964,20.93 93.473,20.93 94.238,21.695 94.238,23.643 92.761,25.121 R95.2@92.098,25.121 ; R95.2@92.236,24.982 cw(c92.571,24.647) 92.571,25.121 cw(c92.571,25.594) R95.2@92.236,25.259
ETH_LED_SPEED: R96.2 X15.11 | length 26.3
  Top Layer w0.178: X15.11@88.818,6.092 ccw(c88.255,6.263) 88.671,6.68 ; X15.11@88.989,6.04 ccw(c88.577,6.166) 88.881,6.47 ccw(c89.185,6.774) X15.11@89.311,6.362 ; X15.11@89.259,6.533 cw(c89.088,7.096) 88.671,6.68 ; X15.11@89.451,5.9 88.671,6.68 ; R96.2@91.133,24.05 93.044,24.05 93.802,23.292 93.802,21.946 93.497,21.641 92.659,21.641 91.719,20.701 91.719,17.258 88.671,14.21 88.671,6.68 ; R96.2@91.271,23.911 cw(c91.606,23.576) 91.606,24.05 cw(c91.606,24.523) R96.2@91.271,24.188
ETH_LINK_ACT: R95.1 X1.183 | length 27.7
  Top Layer w0.165: X1.183@68.535,27.387 ccw(c68.377,27.545) 68.6,27.545 ccw(c68.823,27.545) X1.183@68.665,27.387 ; X1.183@68.6,26.446 68.6,27.593 70.916,29.909 74.222,29.909 77.676,26.455 89.013,26.455 90.348,25.121 R95.1@91.118,25.121 ; R95.1@90.995,24.977 ccw(c90.649,24.632) 90.649,25.121 ccw(c90.649,25.609) R95.1@90.995,25.264
ETH_RXI_N: R52.1 X1.193 X15.6 | length 36.9
  Top Layer w0.15: X1.193@71.529,27.342 ccw(c71.015,27.856) 71.743,27.856 ; X1.193@71.6,26.446 71.743,26.589 71.743,28.042 72.534,28.834 73.821,28.834 77.152,25.503 87.959,25.503 88.855,24.607 88.855,21.809 88.128,21.082 87.1,21.082 86.489,20.471 86.489,18.655 86.738,18.406 87.691,18.406 88.171,18.886 88.171,19.09 ; X1.193@71.635,27.236 ccw(c71.377,27.494) 71.743,27.494 ; X1.193@71.741,27.13 ccw(c71.739,27.132) X1.193@71.743,27.132 ; X15.6@87.571,19.69 88.171,19.09 ; X15.6@87.928,19.117 cw(c88.032,18.951) 88.171,19.09 ; X15.6@88.144,19.333 ccw(c88.31,19.229) 88.171,19.09 ; 88.855,21.909 cw(c90.08,21.909) R52.1@89.214,22.776 ; 88.855,22.271 cw(c89.718,22.271) R52.1@89.108,22.882 ; 88.855,22.633 cw(c89.356,22.633) R52.1@89.001,22.988 ; 88.855,23.266 ccw(c89.356,23.266) R52.1@89.001,22.911 ; 88.855,23.628 ccw(c89.718,23.628) R52.1@89.108,23.017 ; 88.855,23.99 ccw(c90.08,23.99) R52.1@89.214,23.123
ETH_RXI_P: R51.2 X1.195 X15.3 | length 40.9
  Top Layer w0.15: X1.195@72.058,27.132 ccw(c72.061,27.132) X1.195@72.059,27.13 ; 72.058,27.494 ccw(c72.423,27.494) X1.195@72.165,27.236 ; 72.058,27.856 ccw(c72.785,27.856) X1.195@72.271,27.342 ; X1.195@72.2,26.446 72.058,26.589 72.058,27.912 72.174,28.028 72.26,28.028 72.409,27.879 72.495,27.879 72.695,28.079 72.695,28.165 72.545,28.314 72.545,28.4 72.665,28.519 73.691,28.519 77.021,25.188 87.828,25.188 87.996,25.021 87.996,24.935 87.847,24.786 87.847,24.7 88.047,24.5 88.132,24.5 88.281,24.649 88.367,24.649 88.54,24.477 88.54,21.939 87.997,21.397 86.97,21.397 86.174,20.601 86.174,18.655 85.925,18.406 85.017,18.406 X15.3@83.761,17.15 ; X15.3@83.761,17.525 ccw(c83.761,18.43) 84.401,17.79 ccw(c85.041,17.15) X15.3@84.136,17.15 ; X15.3@83.761,17.675 ccw(c83.761,18.942) 84.657,18.046 ccw(c85.553,17.15) X15.3@84.286,17.15 ; X15.3@83.761,17.825 ccw(c83.761,19.455) 84.913,18.302 ccw(c86.066,17.15) X15.3@84.436,17.15 ; R51.2@88.179,23.123 ccw(c87.309,23.993) 88.54,23.993 ; R51.2@88.231,22.789 cw(c87.968,22.282) 88.539,22.282 ; R51.2@88.285,23.017 ccw(c87.671,23.631) 88.54,23.631 ; R51.2@88.391,22.911 ccw(c88.033,23.269) 88.54,23.269
ETH_SPEED: R96.1 X1.185 | length 26.8
  Top Layer w0.165: X1.185@69.135,27.387 ccw(c68.977,27.545) 69.2,27.545 ccw(c69.423,27.545) X1.185@69.265,27.387 ; X1.185@69.2,26.446 69.2,27.747 71.006,29.553 74.074,29.553 77.528,26.099 88.81,26.099 90.173,24.737 R96.1@90.173,24.05 ; R96.1@90.029,24.218 ccw(c89.684,24.564) 90.173,24.564 ccw(c90.661,24.564) R96.1@90.316,24.218
ETH_TX0_N: R48.1 X1.187 X15.2 | length 31.6
  Top Layer w0.15: X1.187@69.729,25.55 cw(c69.215,25.036) 69.942,25.036 ; X1.187@69.8,26.446 69.942,26.304 69.942,25.013 70.779,24.177 78.755,24.177 79.324,23.608 ; X1.187@69.835,25.656 cw(c69.577,25.398) 69.942,25.398 ; X1.187@69.941,25.762 cw(c69.939,25.76) X1.187@69.942,25.76 ; R48.1@79.016,22.788 cw(c78.753,22.281) 79.324,22.281 ; R48.1@79.031,23.168 ccw(c78.846,23.608) 79.324,23.608 ; R48.1@79.085,22.871 cw(c78.881,22.477) 79.324,22.477 ; R48.1@79.089,23.029 ccw(c78.941,23.383) 79.324,23.383 ; R48.1@79.154,23.004 cw(c79.009,22.724) R48.1@79.324,22.724 ; X15.2@81.892,19.379 cw(c81.633,19.245) 81.839,19.038 ; X15.2@82.18,19.091 ccw(c82.046,18.832) 81.839,19.038 ; X15.2@82.491,19.69 81.839,19.038 ; 79.324,23.608 79.324,22.264 79.264,22.203 79.053,22.203 78.992,22.142 78.992,21.859 79.053,21.799 79.264,21.799 79.324,21.738 79.324,16.268 80.159,15.433 81.905,15.433 82.74,16.268 82.74,17.794 81.839,18.694 81.839,19.038
ETH_TX0_P: R47.2 X1.189 X15.1 | length 33.9
  Top Layer w0.15: 70.257,25.123 cw(c70.79,25.123) X1.189@70.462,25.542 ; 70.257,25.431 cw(c70.549,25.431) X1.189@70.369,25.66 ; X1.189@70.257,25.739 cw(c70.308,25.739) X1.189@70.277,25.778 ; X1.189@70.4,26.446 70.257,26.304 70.257,25.144 70.402,24.999 70.488,24.999 70.545,25.056 70.63,25.056 70.831,24.856 70.831,24.77 70.774,24.713 70.774,24.628 70.909,24.492 71.147,24.492 71.288,24.492 71.349,24.553 71.349,24.633 71.409,24.694 71.692,24.694 71.753,24.633 71.753,24.553 71.814,24.492 78.886,24.492 79.639,23.739 ; 79.639,21.909 cw(c80.865,21.909) R47.2@79.998,22.776 ; 79.639,22.271 cw(c80.502,22.271) R47.2@79.892,22.882 ; 79.639,22.633 cw(c80.14,22.633) R47.2@79.786,22.988 ; R47.2@79.639,23.193 ccw(c79.989,23.193) R47.2@79.801,22.898 ; 79.639,23.466 ccw(c80.162,23.466) R47.2@79.882,23.025 ; R47.2@79.962,23.151 cw(c80.335,23.739) 79.639,23.739 ; X15.1@80.93,17.759 ccw(c80.71,18.22) 81.221,18.22 ; X15.1@80.995,17.624 ccw(c80.824,17.982) 81.221,17.982 ccw(c81.618,17.982) X15.1@81.447,17.624 ; X15.1@81.221,17.15 81.221,18.22 ; X15.1@81.512,17.759 cw(c81.732,18.22) 81.221,18.22 ; 79.639,23.739 79.639,16.398 79.781,16.256 79.867,16.256 79.924,16.313 80.01,16.313 80.21,16.113 80.21,16.027 80.153,15.97 80.153,15.884 80.289,15.748 80.543,15.748 80.604,15.809 80.604,15.889 80.665,15.95 80.948,15.95 81.008,15.889 81.008,15.809 81.069,15.748 81.774,15.748 81.917,15.89 81.917,15.976 81.86,16.033 81.86,16.118 82.06,16.318 82.146,16.318 82.202,16.262 82.288,16.262 82.425,16.398 82.425,16.652 82.364,16.713 82.284,16.713 82.223,16.773 82.223,17.056 82.284,17.117 82.364,17.117 82.425,17.178 82.425,17.663 81.669,18.419 81.42,18.419 81.221,18.22